# Altium PCB PCB2.PcbDoc
Units mm, origin at the board's own origin, x right, y up, seen from the top; angles counter-clockwise.
Board outline 324.23 x 173.36 mm, 2 copper layers (Top Layer, Bottom Layer); 86 components, 80 nets, 346 pads, 183 vias.
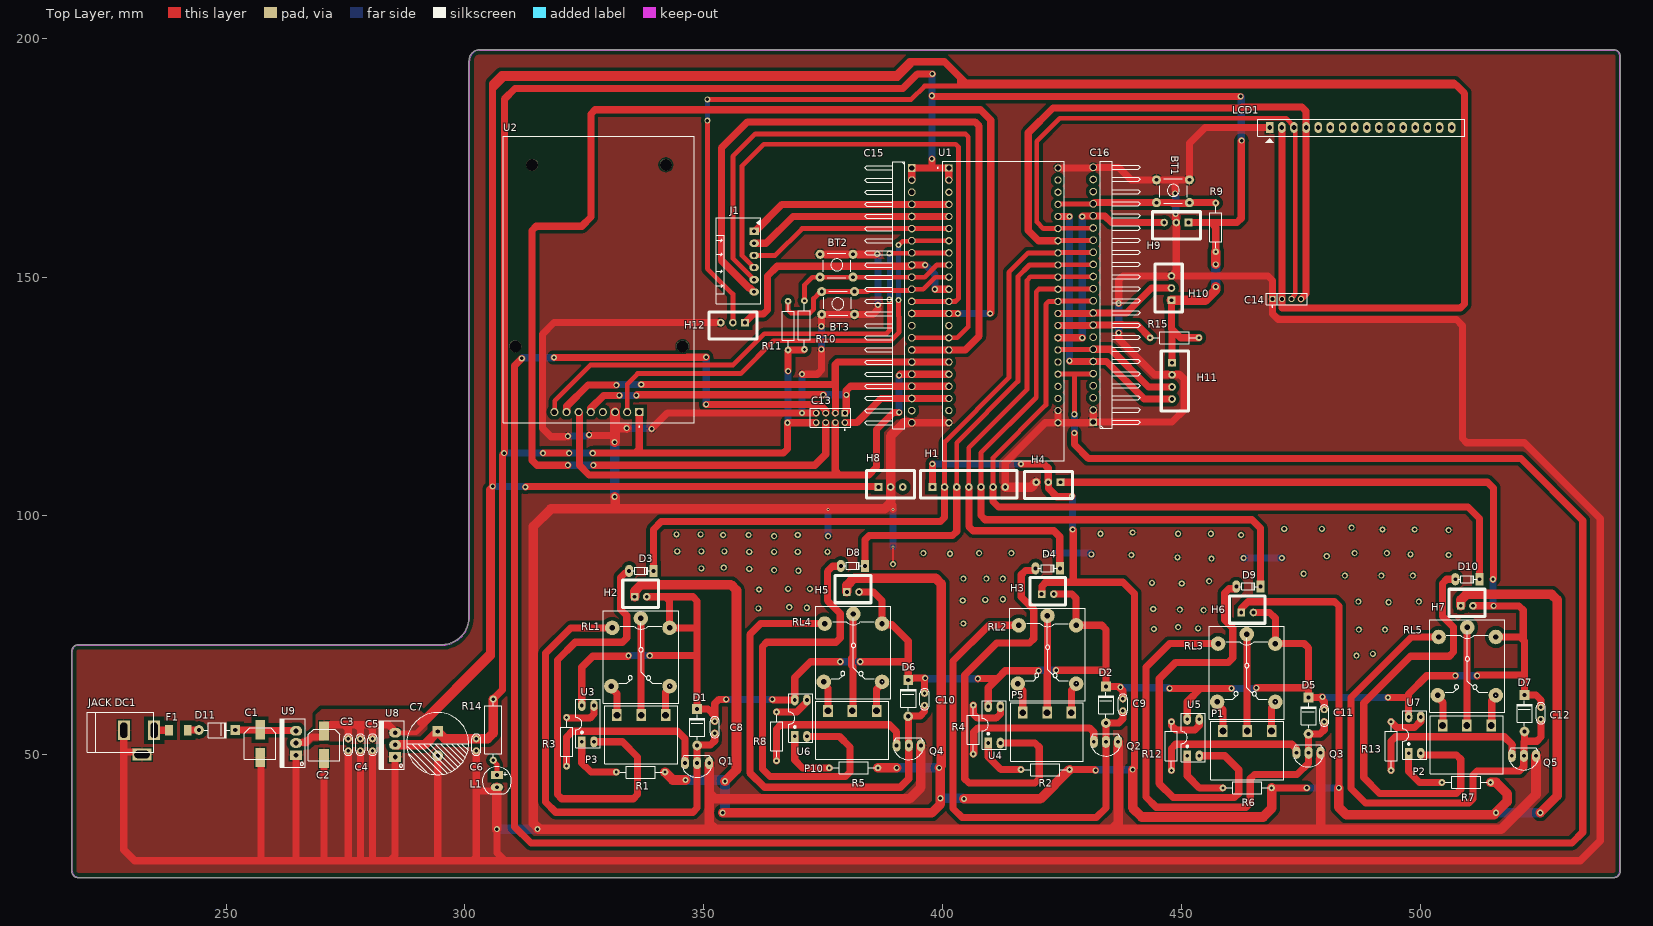
[diagram p0: Top Layer view]
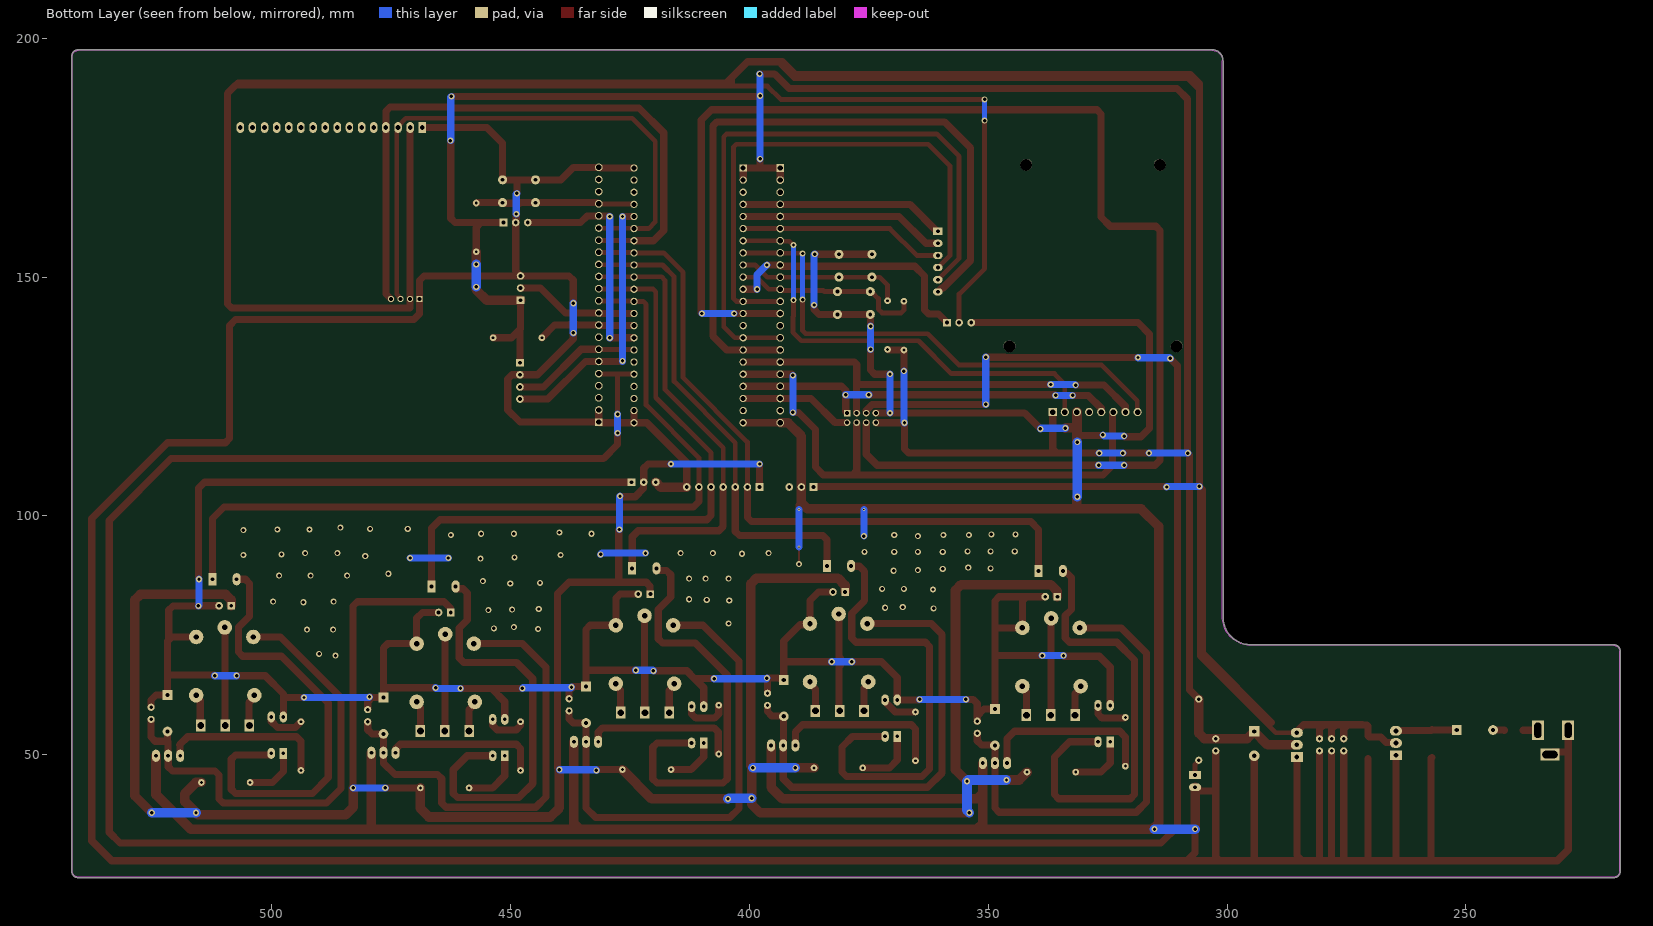
[diagram p1: Bottom Layer view, seen from below]

## Layer stack, top to bottom
Top Solder: solder mask 0.0102, Solder Resist, Dk 3.5
Top Layer: signal copper 0.0356
Dielectric 1: dielectric 0.32, FR-4, Dk 4.8
Bottom Layer: signal copper 0.0356
Bottom Solder: solder mask 0.0102, Solder Resist, Dk 3.5

## Board outline
217.678,25.654 217.678,71.628 cw(c219.075,71.628) 219.075,73.025 295.021,73.025 ccw(c295.021,78.867) 300.863,78.867 300.863,195.326 cw(c303.149,195.326) 303.149,197.612 303.151,197.612 512.826,197.612 540.512,197.612 cw(c540.512,196.215) 541.909,196.215 541.909,25.654 cw(c540.512,25.654) 540.512,24.257 219.075,24.257 cw(c219.075,25.654)

## Design rules (kind name [scope] priority, off if disabled: settings)
Clearance [All] p1: gap=0.3 ignorepadtopadclearanceinfootprint=FALSE except(0.8: Arc-Fill Arc-Poly Arc-Region Track-Fill Track-Poly Track-Region SMDPad-Fill SMDPad-Poly SMDPad-Region THPad-Fill THPad-Poly THPad-Region Via-Fill Via-Poly Via-Region Fill-Fill Fill-Poly Fill-Region Poly-Poly Poly-Region Region-Region)
HoleSize [All] p1: absolutevalues=TRUE maxlimit=4 minlimit=0.3 maxpercent=80.000 minpercent=20.000
HoleToHoleClearance [All] p1: gap=0.05 allowstackedmicrovias=TRUE
MinimumSolderMaskSliver [All] p1: minsoldermaskwidth=0.1
PolygonConnect [All] p1: connectstyle=Relief reliefconductorwidth=0.254 reliefentries=4 polygonreliefangle="90 Angle" airgapwidth=0.254
RoutingVias [All] p1: holewidth=0.4 width=0.8 viastyle="Through Hole" minholewidth=0.3 minwidth=0.6 maxholewidth=0.711 maxwidth=1.27
SilkToSilkClearance [All] p1 off: silktosilkclearance=0.254
SilkToSolderMaskClearance [IsPad] p1 off: minsilkscreentomaskgap=0.05 clearancetoexposedcopper=TRUE
SolderMaskExpansion [All] p1: expansion=0.102 istentingtop=FALSE
Width +5 [InNet('+5')] p1: maxlimit=2.5 minlimit=0.5 preferedwidth=1.5
Width 12V [InNet('12V')] p2: maxlimit=2 minlimit=0.5 preferedwidth=1.5
Width VCC [InNet('VCC')] p3: maxlimit=2 minlimit=0.5 preferedwidth=1.5
Width JD_VCC [InNet('JD_VCC')] p4: maxlimit=2 minlimit=0.5 preferedwidth=1.5
Width ENB [InNet('ENB')] p5: maxlimit=2 minlimit=0.5 preferedwidth=1.5
Width ENA [InNet('ENA')] p6: maxlimit=2 minlimit=0.5 preferedwidth=1.5
Width GND [InNet('GND')] p7: maxlimit=2 minlimit=0.5 preferedwidth=1.5
Width +3V3 [InNet('+3V3')] p8: maxlimit=2 minlimit=0.5 preferedwidth=1.5
Width [All] p9: maxlimit=1.5 minlimit=0.5 preferedwidth=1
25 further rules are at their usual default settings.

## Classes and differential pairs
component class MACHNGUON: C1 C2 C3 C4 C5 C6 C7 D11 F1 "JACK DC1" L1 R14 U8 U9
component class DOAN2: BT1 BT2 BT3 C8 C9 C10 C11 C12 C13 C14 C15 C16 D1 D2 D3 D4 D5 D6 D7 D8 D9 D10 H1 H2 H3 H4 H5 H6 H7 H8 H9 H10 H11 H12 J1 LCD1 P1 P2 P3 P5 P10 Q1 Q2 Q3 Q4 Q5 R1 R2 R3 R4 R5 R6 R7 R8 R9 R10 R11 R12 R13 R15 RL1 RL2 RL3 RL4 RL5 U1 U2 U3 U4 U5 U6 U7

## Components (designator, comment, footprint, x,y, rotation, side; value= is the part's Value field where it differs from the comment)
BT1 "Nut Nhan 4 Chan Cam 6x6" "Nut Nhan 4 Chan Cam 6x6" 445.135,170.561 r0 top
BT2 "Nut Nhan 4 Chan Cam 6x6" "Nut Nhan 4 Chan Cam 6x6" 374.701,154.965 r0 top
BT3 "Nut Nhan 4 Chan Cam 6x6" "Nut Nhan 4 Chan Cam 6x6" 381.254,141.986 r180 top
C1 "47uF" "tu nhom 6.3 (D)" 257.128,52.324 r270 top
C2 "47uF" "tu nhom 6.3 (D)" 270.51,52.07 r270 top
C3 "104" "tu gom" 275.59,52.07 r270 top
C4 "104" "tu gom" 278.13,52.07 r270 top
C5 "104" "tu gom" 280.67,52.07 r270 top
C6 "104" "tu gom" 302.387,52.07 r270 top
C7 "10uF" "tu hoa 13mm" 294.321,52.324 r270 top
C8 "104" "tu gom" 352.298,55.753 r270 top
C9 "104" "tu gom" 437.769,60.452 r270 top
C10 "104" "tu gom" 396.24,61.595 r270 top
C11 "104" "tu gom" 479.933,58.166 r270 top
C12 "104" "tu gom" 525.272,58.674 r270 top
C13 "JP4x2-2.0" J4-C2T 376.555,120.523 r180 top
C14 "JP4x1-2.0" J4-C1T 472.059,145.415 r0 top
C15 "JP22" JP22-D1C 391.033,118.237 r270 top
C16 "JP22" JP22-D1C 434.086,174.244 r90 top
D1 "100v" "DIODE 1A" 348.615,50.673 r270 top
D2 "100v" "DIODE 1A" 434.213,55.372 r270 top
D3 "100v" "DIODE 0.5A" 336.931,88.49 r180 top
D4 "100v" "DIODE 0.5A" 422.021,89.027 r180 top
D5 "100v" "DIODE 1A" 476.631,53.086 r270 top
D6 "100v" "DIODE 1A" 392.811,56.769 r270 top
D7 "100v" "DIODE 1A" 521.843,53.594 r270 top
D8 "100v" "DIODE 0.5A" 381.254,89.535 r180 top
D9 "100v" "DIODE 0.5A" 464.058,85.217 r180 top
D10 "100v" "DIODE 0.5A" 509.905,86.741 r180 top
D11 "100v" "DIODE 1A" 243.055,55.171 r180 top
F1 "0.5A 125V" "Cau Chi SMD1808" 240.03,55.118 r0 top
H1 "Header 7P 2.54 Duc Thang" XH2.54M-7 397.891,106.045 r0 top
H2 "Header 2P 2.54 Duc Thang" XH2.54M-2 335.534,83.086 r0 top
H3 "Header 2P 2.54 Duc Thang" XH2.54M-2 420.751,83.624 r0 top
H4 "Header 3P 2.54 Duc Thang" XH2.54M-3 424.688,107.061 r180 top
H5 "Header 2P 2.54 Duc Thang" XH2.54M-2 379.984,84.074 r0 top
H6 "Header 2P 2.54 Duc Thang" XH2.54M-2 462.534,79.784 r0 top
H7 "Header 2P 2.54 Duc Thang" XH2.54M-2 508.508,81.181 r0 top
H8 "Header 3P 2.54 Duc Thang" XH2.54M-3 386.588,106.045 r0 top
H9 "Header 3P 2.54 Duc Thang" XH2.54M-3 451.485,161.417 r180 top
H10 "Header 3P 2.54 Duc Thang" XH2.54M-3 447.929,145.161 r90 top
H11 "Header 4P 2.54 Duc Thang" XH2.54M-4 448.056,132.08 r270 top
H12 "Header 3P 2.54 Duc Thang" XH2.54M-3 358.648,140.462 r180 top
J1 "MOTOR" CON6_100_S6B-XH-A_TH_RA 360.553,159.61 r0 top
"JACK DC1" "JACK DC 5.5" "JACK DC 5.5" 231.775,52.578 r0 top value="Jac DC"
L1 "LED 5mm" LED-5MM-RED 306.705,45.72 r270 top
LCD1 "LCD1602 XL" "LCD1602 with Jump" 468.503,181.312 r0 top
P1 "CON 3 EDG5.08" "CON 3 3EDG5.08" 468.884,54.971 r180 top
P2 "CON 3 EDG5.08" "CON 3 3EDG5.08" 514.858,56.134 r180 top
P3 "CON 3 EDG5.08" "CON 3 3EDG5.08" 342.011,58.273 r180 top
P5 "CON 3 EDG5.08" "CON 3 3EDG5.08" 426.974,58.81 r180 top
P10 "CON 3 EDG5.08" "CON 3 3EDG5.08" 386.196,59.182 r180 top
Q1 "C1815" TO92 348.615,48.26 r180 top value=C9014
Q2 "C1815" TO92 434.213,52.705 r180 top value=C9014
Q3 "C1815" TO92 476.631,50.419 r180 top value=C9014
Q4 "C1815" TO92 392.938,51.943 r180 top value=C9014
Q5 "C1815" TO92 521.716,49.784 r180 top value=C9014
R1 "470R" "tro vach 1/4w" 336.804,46.355 r0 top
R2 "470R" "tro vach 1/4w" 421.513,46.892 r0 top
R3 "10k" "tro vach 1/4w" 321.31,52.705 r270 top
R4 "10k" "tro vach 1/4w" 406.444,55.245 r270 top
R5 "470R" "tro vach 1/4w" 381.381,47.244 r0 top
R6 "470R" "tro vach 1/4w" 463.804,43.053 r0 top
R7 "470R" "tro vach 1/4w" 509.651,44.196 r0 top
R8 "10k" "tro vach 1/4w" 365.252,53.848 r270 top
R9 "10K" "tro vach 1/4w" 457.2,160.401 r90 top
R10 "10K" "tro vach 1/4w" 371.094,139.954 r90 top
R11 "10K" "tro vach 1/4w" 367.665,139.827 r90 top
R12 "10k" "tro vach 1/4w" 447.929,51.816 r270 top
R13 "10k" "tro vach 1/4w" 493.903,51.816 r270 top
R14 "1K" "tro vach 1/2w" 305.943,55.245 r90 top
R15 "10k" "tro vach 1/4w" 448.564,137.287 r0 top
RL1 "Relay" "Relay 5 Chan SRD" 336.856,78.555 r270 top
RL2 "Relay" "Relay 5 Chan SRD" 421.974,79.093 r270 top
RL3 "Relay" "Relay 5 Chan SRD" 463.69,75.253 r270 top
RL4 "Relay" "Relay 5 Chan SRD" 381.334,79.464 r270 top
RL5 "Relay" "Relay 5 Chan SRD" 509.858,76.65 r270 top
U1 "ESP32-S3-DEVKITC-1U-N8R2" XCVR_ESP32-S3-DEVKITC-1U-N8R2 412.75,142.877 r0 top
U2 "RC522" MODULE_CEG006900 328.067,149.509 r180 top
U3 "OPTO PC817 DIP4" DIP4#1 324.485,52.705 r0 top value=PC817
U4 "OPTO PC817 DIP4" DIP4#1 409.575,52.451 r0 top value=PC817
U5 "OPTO PC817 DIP4" DIP4#1 451.231,49.784 r0 top value=PC817
U6 "OPTO PC817 DIP4" DIP4#1 369.062,53.848 r0 top value=PC817
U7 "OPTO PC817 DIP4" DIP4#2 497.586,50.228 r0 top value=PC817
U8 "LM1117-3.3V" TO220-123 285.407,49.53 r90 top
U9 "LM1117-5V" TO220-123 264.668,49.911 r90 top

## Footprints (in the part's own frame and the unit in brackets; to place one, negate y for a bottom-side part, rotate by r counter-clockwise, add the part's x,y. Pads: shape width x height; smd on the part's side, far side on the other; paste and mask are expansions set on the pad)
"Cau Chi SMD1808" [mil]
  rect 64x90 smd: 1(-77,0) 2(77,0)
  body extent -91,-39 91,39, height 39
CON6_100_S6B-XH-A_TH_RA [mm] "Connector Header"
  rect 2x1.5 hole 0.8: 1(0,0)
  oval 2x1.5 hole 0.8: 2(0,-2.54) 3(0,-5.08) 4(0,-7.62) 5(0,-10.16) 6(0,-12.7)
  silkscreen extent -7.98,-15.24 1.35,2.82, body extent -10.23,-14.95 -0.06,2.55, height 5.91
"CON 3 3EDG5.08" [mm]
  rect 2x2.5 hole 1.4: 1(0,0) 2(5.08,0) 3(10.173,0)
  silkscreen extent -2.54,-2.03 12.71,10.16, body extent -2.5,-1.75 12.67,10.25, height 3.15
"DIODE 0.5A" [mil] "Diode muoi, xung"
  oval 65x100 hole 32: 1(100,0)
  rect 65x100 hole 32: 2(-100,0)
  silkscreen extent -80,-30 80,28, body extent -108,-33 108,32, height 61
"DIODE 1A" [mil] "Diode 1A"
  round 80 hole 35: 1(-50,0)
  rect 80x80 hole 35: 2(-350,0)
  silkscreen extent -305,-61 -95,65, body extent -366,-61 -34,65, height 122
DIP4#1 [mil]
  rect 60x90 hole 31: 1(0,0)
  oval 60x90 hole 31: 2(100,0) 3(100,300) 4(0,300)
  silkscreen extent -50,-50 150,350, body extent -59,-10 159,305, height 170
DIP4#2 [mil] "W.300/L.400"
  rect 60x90 hole 31: 1(0,2.52)
  oval 60x90 hole 31: 2(100,2.52) 3(100,302.52) 4(0,302.52)
  silkscreen extent -50,-47 150,353, body extent -59,-7 159,307, height 170
J4-C1T [mm] "4p, 1 row, straight, gold plating"
  rect 1.3x1.3 hole 0.8: 1(-3,0)
  round 1.3 hole 0.8: 2(-1,0) 3(1,0) 4(3,0)
  silkscreen extent -4.25,-1.71 4.25,1.2, body extent -4.25,-1.2 4.25,1.2, height 4.31
J4-C2T [mm] "8 pins, dual row, straight, gold plating"
  rect 1.35x1.35 hole 0.85: 1(-3,-1)
  round 1.35 hole 0.85: 2(-1,-1) 3(1,-1) 4(3,-1) 5(3,1) 6(1,1) 7(-1,1) 8(-3,1)
  silkscreen extent -4.25,-2 4.25,2.61, body extent -4.25,-2 4.25,2, height 4.31
"JACK DC 5.5" [mm] "Jac DC input"
  rect 2.54x4.064 hole 1.5 slot 3.2 at 90 deg: 1(3.175,2.54) 2(-3.175,2.54)
  rect 4.064x2.54 hole 1.5 slot 3.2 at 0 deg: 3(0.635,-2.54)
  silkscreen extent -10.79,-2.03 3.05,6.35, body extent -10.42,-2.67 3.4,6.84, height 11.02
JP22-D1C [mm] "22 pins, 1 row, right angled, gold plating"
  rect 1.6x1.6 hole 1.1: 1(-54.61,2.54)
  round 1.6 hole 1.1: 2(-52.07,2.54) 3(-49.53,2.54) 4(-46.99,2.54) 5(-44.45,2.54) 6(-41.91,2.54) 7(-39.37,2.54) 8(-36.83,2.54) 9(-34.29,2.54) 10(-31.75,2.54) 11(-29.21,2.54) 12(-26.67,2.54) 13(-24.13,2.54) 14(-21.59,2.54) 15(-19.05,2.54) 16(-16.51,2.54) 17(-13.97,2.54) 18(-11.43,2.54) 19(-8.89,2.54) 20(-6.35,2.54) 21(-3.81,2.54) 22(-1.27,2.54)
  silkscreen extent -55.88,-7.34 0,1.04, body extent -55.88,-7.52 0,2.84, height 2.55
"LCD1602 with Jump" [mil] "LCD dipslay 16x2, 16 pin"
  rect 62x90 hole 39: 1(0,0)
  oval 62x90 hole 39: 2(100,0) 3(200,0) 4(300,0) 5(400,0) 6(500,0) 7(600,0) 8(700,0) 9(800,0) 10(900,0) 11(1000,0) 12(1100,0) 13(1200,0) 14(1300,0) 15(1400,0) 16(1500,0)
  silkscreen extent -100,-125 1608,70, body extent -320,-1353 2850,84, height 764
LED-5MM-RED [mil] "LED 2 PIN, 5 ly , Only colour,pin to pin 100mil"
  rect 65x100 hole 32: 1(0,0)
  oval 65x100 hole 32: 2(100,0)
  silkscreen extent -70,-120 154,120, body extent -65,-119 149,118, height 339
MODULE_CEG006900 [mm]
  rect 1.725x1.725 / inner round 1.725 / far side rect 1.725x1.725 hole 1.15: 1(-8.45,27.76)
  round 1.725 hole 1.15: 2(-5.91,27.76) 3(-3.37,27.76) 4(-0.83,27.76) 5(1.71,27.76) 6(4.25,27.76) 7(6.79,27.76) 8(9.33,27.76)
  round 2.5 hole 2.5 unplated: ""(-17.5,14) ""(-14,-24) ""(14,-24) ""(17.5,14)
  silkscreen extent -20,-30 20,30.91
"Nut Nhan 4 Chan Cam 6x6" [mil] "SW button 4pin, 250 x250 mil"
  round 75 hole 31: 1(-13,-8) 1(258,-8) 2(-13,-196) 2(258,-196)
  silkscreen extent 15,-215 240,0, body extent -31,-225 281,19, height 276
"Relay 5 Chan SRD" [mil] "Relay SPDT, 5 pin, 10A,W 650mil, L 800mil, H 800mil"
  round 120 hole 45: 1(0,0) 2(559.06,236.22) 3(559.06,-243.78) 4(78.74,-236.22) 5(78.74,236.22)
  silkscreen extent -63,-311 700,310, body extent -55,-306 697,304, height 602
TO92 [mil] "TO-92"
  oval 66x100 hole 32: 1(-100,0) 2(0,0) 3(100,0)
  silkscreen extent -117,-65 120,118, body extent -109,-66 109,95, height 245
TO220-123 [mil] "TO-220 - 1-2-3"
  rect 80x100 hole 39: 1(0,0)
  oval 80x100 hole 39: 2(100,0) 3(200,0)
  silkscreen extent -100,-76 300,130, body extent -95,-80 295,97, height 323
"tro vach 1/2w" [mm]
  round 1.5 hole 0.7: 1(-6.4,0) 2(6.4,0)
  silkscreen extent -5.84,-1.75 5.84,1.75, body extent -6.62,-1.75 6.62,1.75, height 3.5
"tro vach 1/4w" [mm]
  round 1.4 hole 0.6: 1(-5.1,0) 2(5.1,0)
  silkscreen extent -4.39,-1.25 4.42,1.25, body extent -5.38,-1.2 5.38,1.2, height 2.41
"tu gom" [mm] "Tu gom mini"
  round 1.5 hole 0.7: 1(-1.27,0) 2(1.27,0)
  silkscreen extent -2.25,-0.97 2.22,0.97, body extent -2.92,-0.85 2.92,0.85, height 6.12
"tu hoa 13mm" [mm]
  rect 2.2x2.2 hole 0.9: 1(-2.54,0)
  round 2.2 hole 0.9: 2(2.54,0)
  silkscreen extent -6.5,-6.5 6.5,6.5, body extent -6.25,-6.25 6.26,6.25, height 23.02
"tu nhom 6.3 (D)" [mm]
  rect 4x2 smd: 1(-2.9,0) 2(2.9,0)
  silkscreen extent -3.3,-3.3 3.3,3.3, body extent -3.8,-3.3 3.8,3.3, height 8
XCVR_ESP32-S3-DEVKITC-1U-N8R2 [mm]
  rect 1.53x1.53 / inner round 1.53 / far side rect 1.53x1.53 hole 1.02: J1_1(-11.43,29.97)
  round 1.53 hole 1.02: J1_2(-11.43,27.43) J1_3(-11.43,24.89) J1_4(-11.43,22.35) J1_5(-11.43,19.81) J1_6(-11.43,17.27) J1_7(-11.43,14.73) J1_8(-11.43,12.19) J1_9(-11.43,9.65) J1_10(-11.43,7.11) J1_11(-11.43,4.57) J1_12(-11.43,2.03) J1_13(-11.43,-0.51) J1_14(-11.43,-3.05) J1_15(-11.43,-5.59) J1_16(-11.43,-8.13) J1_17(-11.43,-10.67) J1_18(-11.43,-13.21) J1_19(-11.43,-15.75) J1_20(-11.43,-18.29) J1_21(-11.43,-20.83) J1_22(-11.43,-23.37) J3_1(11.43,29.97) J3_2(11.43,27.43) J3_3(11.43,24.89) J3_4(11.43,22.35) J3_5(11.43,19.81) J3_6(11.43,17.27) J3_7(11.43,14.73) J3_8(11.43,12.19) J3_9(11.43,9.65) J3_10(11.43,7.11) J3_11(11.43,4.57) J3_12(11.43,2.03) J3_13(11.43,-0.51) J3_14(11.43,-3.05) J3_15(11.43,-5.59) J3_16(11.43,-8.13) J3_17(11.43,-10.67) J3_18(11.43,-13.21) J3_19(11.43,-15.75) J3_20(11.43,-18.29) J3_21(11.43,-20.83) J3_22(11.43,-23.37)
  silkscreen extent -13.82,-31.37 12.7,31.37, body extent -12.7,-31.96 12.7,31.37, height 7.49
XH2.54M-2 [mm]
  rect 1.6x1.6 hole 0.8: 1(0,0)
  round 1.6 hole 0.8: 2(2.54,0)
  silkscreen extent -2.48,-2.26 5.02,3.46, body extent -2.48,-2.26 5.02,3.48, height 6.91
XH2.54M-3 [mm]
  rect 1.6x1.6 hole 0.8: 1(0,0)
  round 1.6 hole 0.8: 2(2.54,0) 3(5.08,0)
  silkscreen extent -2.48,-2.26 7.56,3.46, body extent -2.48,-2.26 7.56,3.48, height 6.91
XH2.54M-4 [mm]
  rect 1.6x1.6 hole 0.8: 1(0,0)
  round 1.6 hole 0.8: 2(2.54,0) 3(5.08,0) 4(7.62,0)
  silkscreen extent -2.48,-2.26 10.1,3.46, body extent -2.48,-2.26 10.1,3.48, height 6.91
XH2.54M-7 [mm]
  rect 1.6x1.6 hole 0.8: 1(0,0)
  round 1.6 hole 0.8: 2(2.54,0) 3(5.08,0) 4(7.62,0) 5(10.16,0) 6(12.7,0) 7(15.24,0)
  silkscreen extent -2.48,-2.26 17.72,3.46, body extent -2.48,-2.26 17.72,3.48, height 6.91

## Part data
BT1 BT2 BT3: "Nut Nhan 4 Chan 6x6mm", Ma_Hang=MH004584, Ten="Nút Nhấn 4 Chân 6x6x5MM DIP"
C1 C2: library part "Tu Nhom 47uF 16V", "Dán", Chung_Loai=Dán, Don_Vi=Con, Ma_Hang=MH007468, So_Chan=2, Ten_Linh_Kien="Tụ Nhôm 47uF 16V"
C3 C4 C5 C6 C8 C9 C10 C11 C12: library part "Tu gom 104 50V", "Cắm", Chung_Loai=Cắm, Don_Vi=Con, Ma_Hang=MH004761, So_Chan=2, Ten_Linh_Kien="Tụ gốm 104 100nF 50V"
C7: library part "Tu Hoa 10uF 450V 13x20", "Cắm", Chung_Loai=Cắm, Don_Vi=Con, Ma_Hang=MH003950, So_Chan=2, Ten_Linh_Kien="Tụ Hóa 10uF 450V 13x20MM"
C13: "WR-PHD 2.00 mm Dual Pin Header", Manufacturer="W¨¹rth Elektronik eiSos GmbH", partNo=62000821121, ComponentLink1 Description=Manufacturer, ComponentLink1URL=http://www.we-online.com, ComponentLink2 Description=Datasheet, ComponentLink2URL=http://katalog.we-online.de/em/datasheet/6200xx21121.pdf, Created by="Karrer Zheng", Created Date="2 April 2013", NoPins=08
C14: "WR-PHD 2.00 mm Socket Header", Manufacturer="W¨¹rth Elektronik eiSos GmbH", partNo=62000411821, ComponentLink1 Description=Manufacturer, ComponentLink1URL=http://www.we-online.com, ComponentLink2 Description=Datasheet, ComponentLink2URL=http://katalog.we-online.de/em/datasheet/6200xx11821.pdf, Created by="Karrer Zheng", Created Date="2 April 2013", NoPins=04
C15 C16: "WR-PHD 2.54 mm Angled Socket Header", Manufacturer="W¨¹rth Elektronik eiSos GmbH", partNo=613022143121, ComponentLink1 Description=Manufacturer, ComponentLink1URL=http://www.we-online.com, ComponentLink2 Description=Datasheet, ComponentLink2URL=http://katalog.we-online.de/em/datasheet/6130xx143121.pdf, Created by="Karrer Zheng", Created Date="29 March 2013", NoPins=22
D1 D2 D5 D6 D7 D11: library part "Diode 1N4007", "Cắm", Chung_Loai=Cắm, Don_Vi=Con, Ma_Hang=MH001063, Ten_Linh_Kien="Diode 1N4007 1A (DIP)"
D3 D4 D8 D9 D10: library part "Diode 1N4148", "Cắm", Chung_Loai=Cắm, Don_Vi=Con, Ma_Hang=MH001065, Ten_Linh_Kien="Diode 1N4148 DO35 450mA 100V ( 1N4148 DIP)"
F1: library part "Cau chi 0.5A 125V SMD1808", "Cau chi 0.5A 125V SMD1808", Ma_Hang=MH009241, Ten="Cầu Chì 0.5A 125V SMD1808 0451.500MRL"
H1 H2 H3 H4 H5 H6 H7 H8 H9 H10 H11 H12 P1 P2 P3 P5 P10: "Cắm", Chung_Loai=Cắm, Don_Vi=Con
  H1: Ma_Hang=MH003369, Ten_Linh_Kien="Header 7P XH2.54-7P Đực Thẳng"
  H2 H3 H5 H6 H7: Ma_Hang=MH001283, Ten_Linh_Kien="Header 2P XH2.54-2P Đực Thẳng"
  H4 H8 H9 H10 H12: Ma_Hang=MH001292, Ten_Linh_Kien="Header 3P XH2.54-3P Đực Thẳng"
  H11: Ma_Hang=MH001285, Ten_Linh_Kien="Header 4P XH2.54-4P Đực Thẳng"
  P1 P2 P3 P5 P10: Ma_Hang=MH000760, Ten_Linh_Kien="CON 3 2EDG5.08-3P 5.08MM ( Xanh Cong)"
J1: library part CON-PLG_6X1-100-RA-TH, "6 Pins, 1 Row 2.54mm Pitch, right angle Connector, male", Alternate Part Number-1=NA, Case/Package=TH-CON, Crimp Part Number=ASXHSXH22K51, Manufacturer=JST, Manufacturer Part Number=S6B-XH-A(LF)(SN), Mating Part Number=XHP-6, Supplier Part Number-1=S6B-XH-A(LF)(SN), Supplier-1=ARROW
L1: library part "LED 5mm Do", "Cắm", Chung_Loai=Cắm, Don_Vi=Con, Ma_Hang=MH008967, Ten_Linh_Kien="Led 5MM Phủ Đỏ (1000c)"
LCD1: "LCD 1602 Xanh Lá", CHIP=HD44780, Ma_Hang=67HZ, NCC=NSHOP, Ten="Màn hình LCD 1602 Xanh Lá"
Q1 Q2 Q3 Q4 Q5: library part "Trans C1815 DIP", "NPN transistor"
R1 R2 R5 R6 R7: library part "Tro Vach 1/4W 5% 470R", "Cắm", Chung_Loai=Cắm, Don_Vi=Con, Ma_Hang=MH007320, So_Chan=2, Ten_Linh_Kien="Trở Vạch 1/4w 5% 470R"
R3 R4 R8 R12 R13: library part "Tro Vach 1/4W 1% 10k", "Cắm", Chung_Loai=Cắm, Don_Vi=Con, Ma_Hang=MH006349, So_Chan=2, Ten_Linh_Kien="Trở Vạch 1/4w 1% 10k"
R9 R10 R11: library part "Tro Vach 1/4W 1% 360R", "Cắm", Chung_Loai=Cắm, Don_Vi=Con, Ma_Hang=MH008835, So_Chan=2, Ten_Linh_Kien="Trở Vạch 1/4W 1% 360R"
R14: library part "Tro Vach 1/2W 5% 1k", "Cắm", Chung_Loai=Cắm, Don_Vi=Con, Ma_Hang=MH007240, So_Chan=2, Ten_Linh_Kien="Trở 5% 1/2w 1K"
R15: library part "Tro Vach 1/4W 5% 10k", "Căm", Chung_Loai=Cắm, Don_Vi=Con, Ma_Hang=MH007354, So_Chan=2, Ten_Linh_Kien="Trở Vạch 1/4w 5% 10K"
RL1 RL2 RL3 RL4 RL5: library part "Relay 5 Chan SRD", "Relay 5 Chan", Ma_Hang=MH009374, Ten="Relay 5V10A SRD-05VDC-SL-C Chính Hãng"
U1: "The ESP32-S3-DEVKITC-1U-N8R2 Evaluation Board from Espressif Systems is a versatile development platform designed for wireless communication applications. It features the ESP32-S3-WROOM-1U-N8R2 transceiver, supporting 802.11 b/g/n Wi-Fi and BluetoothÂ® 5.", Package=None, Check_prices=https://www.snapeda.com/parts/ESP32-S3-DEVKITC-1U-N8R2/Espressif+Systems/view-part/?ref=eda, MF="Espressif Systems", MP=ESP32-S3-DEVKITC-1U-N8R2, SnapEDA_Link=https://www.snapeda.com/parts/ESP32-S3-DEVKITC-1U-N8R2/Espressif+Systems/view-part/?ref=snap
U2: library part CEG006900, "RFID RC522 Reader IC Card Module Tags SPI Interface Read and Write", Package=None, Availability="Not in stock", Check_prices=https://www.snapeda.com/parts/CEG006900/YKS/view-part/?ref=eda, MF=YKS, MP=CEG006900, Price=None, SnapEDA_Link=https://www.snapeda.com/parts/CEG006900/YKS/view-part/?ref=snap
U3 U4 U5 U6 U7: "Single Opto"
U8 U9: library part LM1117, "800mA Low-Dropout Linear Regulator", Creator="Nguyen Ba Bien", Website=http://group3i.net

## Via types
v1: diameter 1.27, hole 0.711, Top Layer to Bottom Layer, 180 vias
v2: diameter 0.6, hole 0.3, Top Layer to Bottom Layer, 3 vias

## Nets (pads, with @x,y where several pads share a name; then routed paths per layer and width w, separated by ;. In a path a pad name is that pad's centre, name@x,y a point inside that pad or via, vN(x,y) a via of type N, cw(c..) or ccw(c..) an arc to the next point about the centre after c; other vN are vias at no path point)
5V: C2.1 C3.1 C4.1 C5.1 C14.2 H8.1 H12.2 LCD1.2 U8.3 U9.2 | length 945
  Top Layer w1: U8.3 289.814,54.61 305.816,70.612 v1(305.816,106.172) ; 305.816,189.103 308.229,191.516 390.652,191.516 393.573,194.437 ; v1(350.774,182.753) 350.774,151.765 356.108,146.431 H12.2 ; v1(350.774,187.198) 393.446,187.198 396.24,189.992 507.746,189.992 ; 403.484,190.246 403.484,192.019
  Top Layer w1.5: U9.2 264.77,52.553 266.675,52.553 267.842,53.72 270.26,53.72 270.51,53.97 270.51,55.97 270.76,56.22 271.598,56.22 271.639,56.261 274.711,56.261 ; C3.1 275.59,55.382 274.711,56.261 ; C4.1@278.257,53.467 C4.1 278.13,55.382 277.251,56.261 ; C5.1 280.67,55.382 279.791,56.261 ; U8.3 285.297,54.61 285.052,54.856 285.052,55.218 284.009,56.261 279.791,56.261 ; 290.703,56.769 304.99,71.056 ; 305.181,71.247 305.181,105.537 v1(305.816,106.172) 305.816,189.103 305.816,190.5 307.721,192.405 390.398,192.405 393.065,195.072 400.431,195.072 403.484,192.019 404.876,190.627 507.111,190.627 507.746,189.992 509.27,188.468 509.27,144.389 508.391,143.51 471.059,143.51 C14.2 471.043,145.431 LCD1.2 ; v1(312.674,106.045) 312.801,106.172 385.922,106.172 385.999,106.095 386.538,106.095 H8.1 ; 274.711,56.261 277.251,56.261 ; 277.251,56.261 279.791,56.261
  Bottom Layer w1: v1(350.774,182.753) v1(350.774,187.198)
  Bottom Layer w1.5: v1(305.816,106.172) 312.547,106.172 v1(312.674,106.045)
12V: H8.3
+3V3: C6.1 C7.1 C13.5 C15.1 C15.2 H9.1 H10.1 H11.1 R9.1 R10.1 R11.1 R14.2 R15.2 U1.J1_1 U1.J1_2 U2.1 U8.2 | length 525.7
  Top Layer w1.5: R14.2 307.848,63.55 307.848,112.776 308.267,113.195 308.267,187.236 310.515,189.484 391.668,189.484 394.73,192.546 397.877,192.546 v1(397.891,192.532) ; v1(316.357,113.157) v1(321.818,113.157) ; v1(326.771,113.157) 335.638,113.157 ; U2.1 336.517,114.036 335.638,113.157 ; v1(367.665,130.302) R11.1 370.967,134.727 R10.1 ; C13.5@373.539,119.507 v1(367.538,119.507) 367.538,114.036 366.659,113.157 335.638,113.157 ; C15.2 C15.1 397.764,172.847 ; v1(397.764,174.752) 397.764,172.847 ; v1(397.764,187.96) 397.891,187.833 v1(462.407,187.833) ; U1.J1_2 U1.J1_1 397.764,172.847 ; H10.1 447.929,139.192 448.056,139.065 ; H11.1 448.056,139.065 ; H9.1 456.184,161.417 ; R15.2 449.834,137.287 448.056,139.065 ; R9.1 457.2,160.401 456.184,161.417 ; v1(462.615,178.566) 462.534,178.485 462.534,162.296 461.655,161.417 456.184,161.417